# KiCad board PANEL5x4_COM_MOD.kicad_pcb (continued)
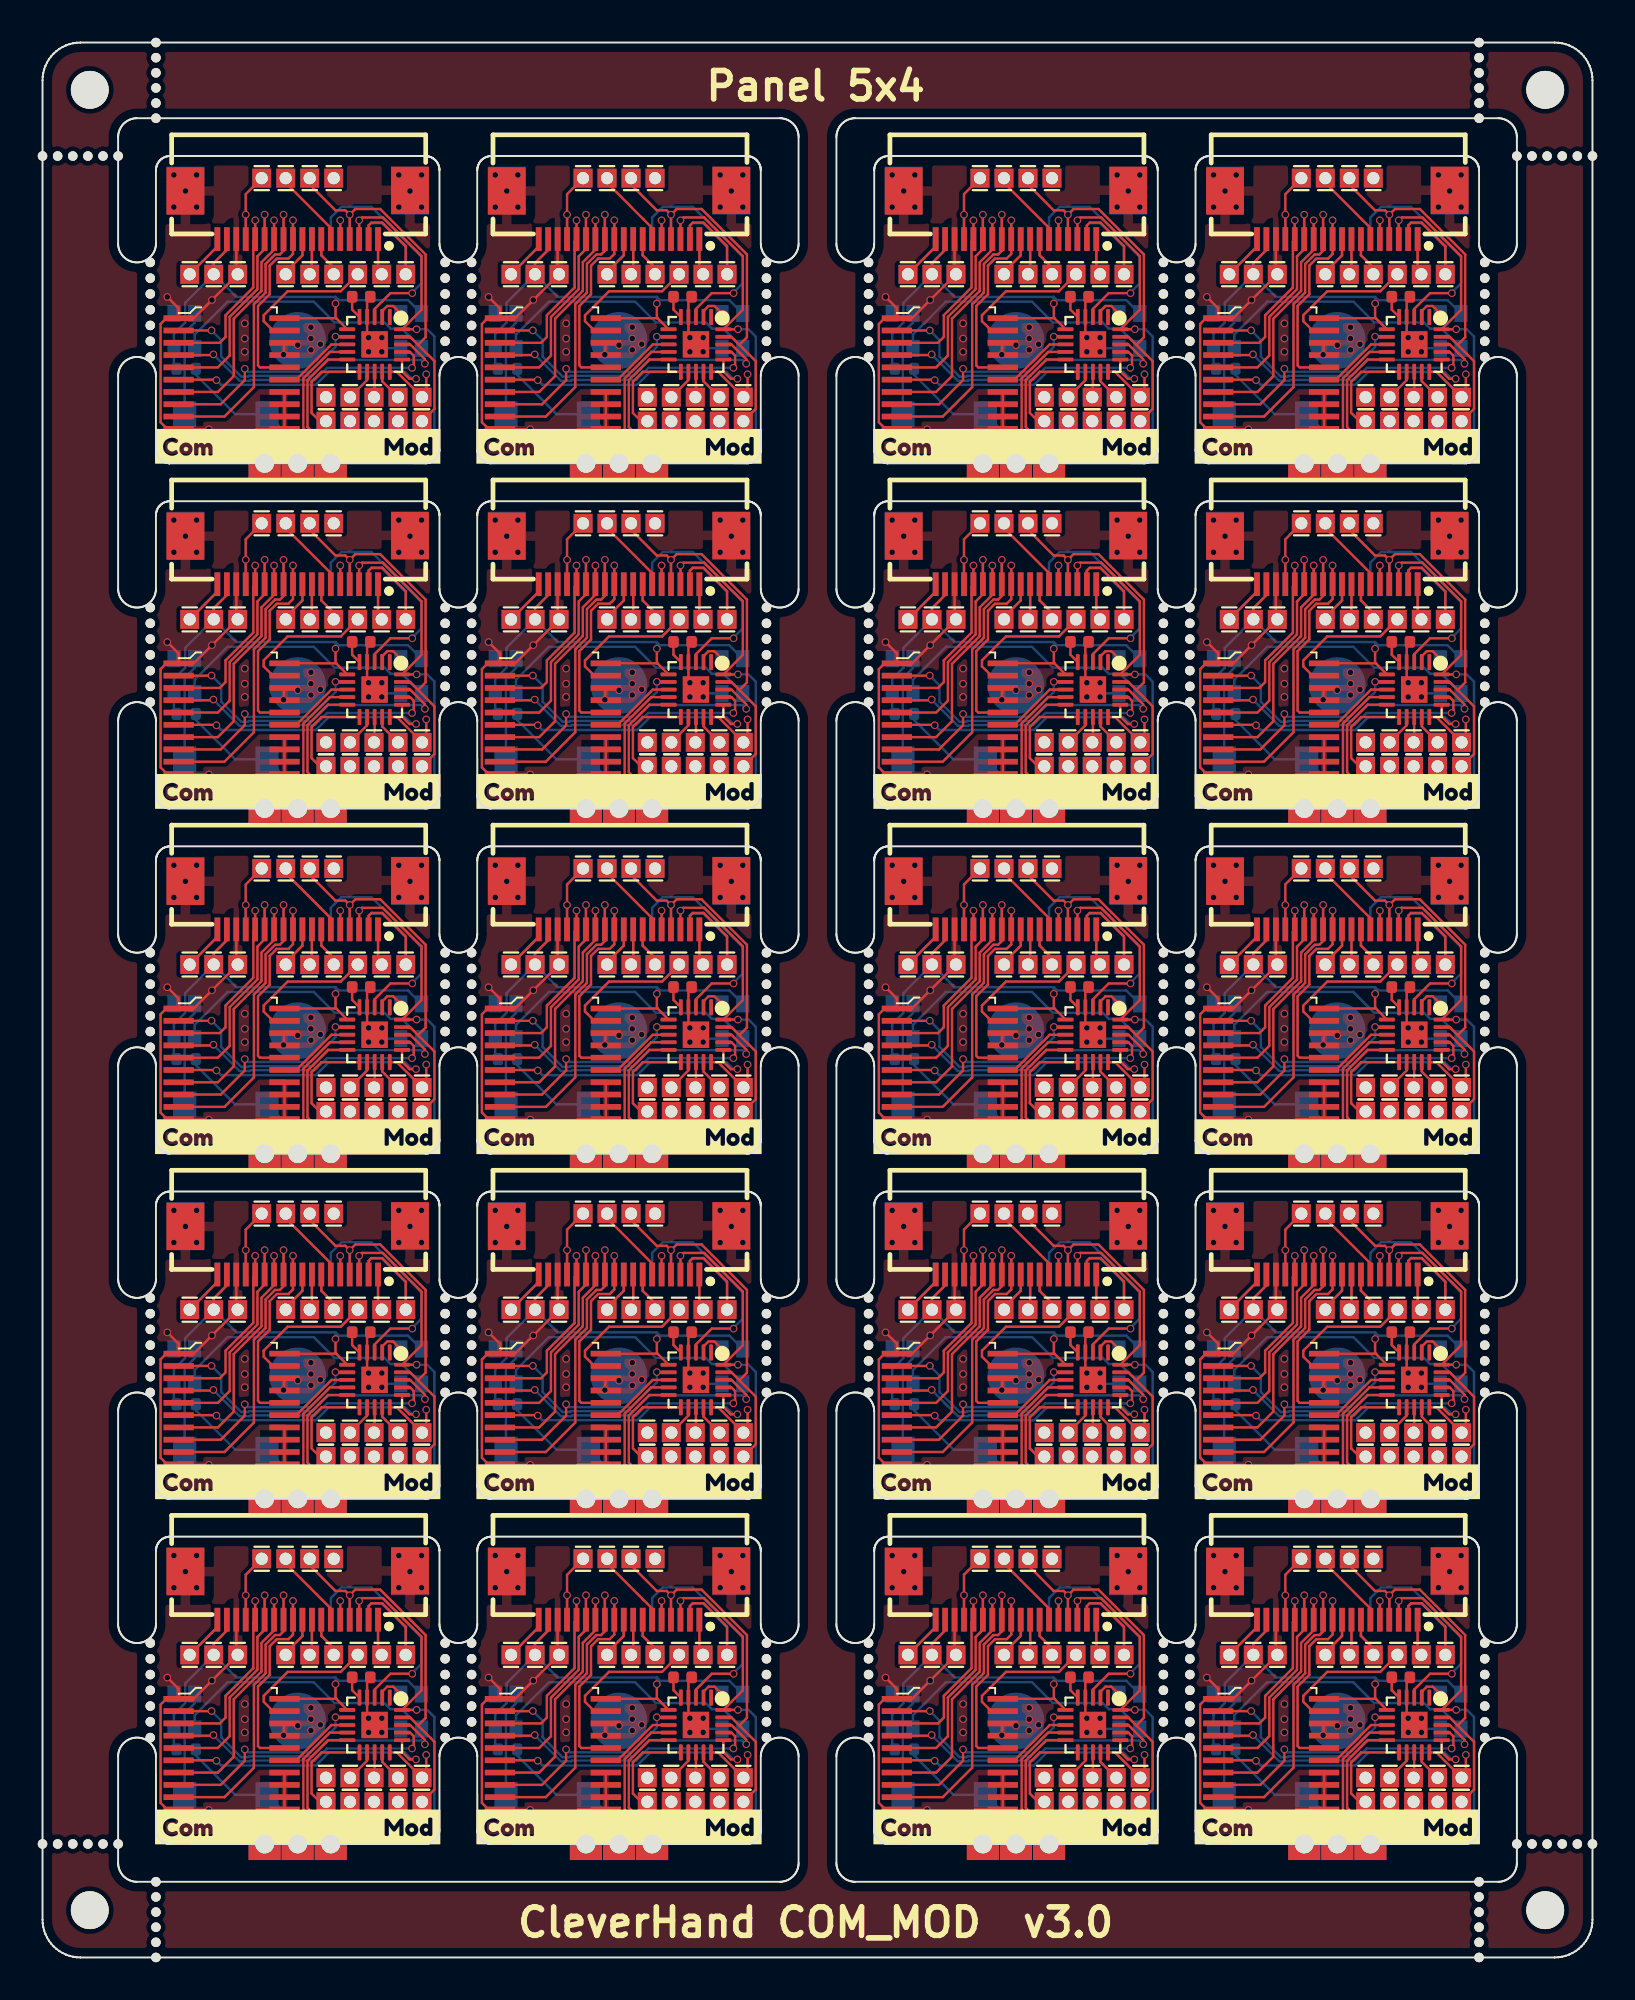
[diagram p0: board, top side]
## Routing (per net, layer and track width the routed paths; a pad name or vN(x,y) marks a point on that pad's centre or on a via; arc(x,y) is an arc through that point) (continued)
  Bottom w0.127: 28.25,17.83 v1(28.25,18.85)
Board_17-/addr_bus_1: length 12.5
  Top w0.127: v1(28.75,19.15) 28.75,17.33 28.37,16.95 28.37,15.21 26.9,13.74 26.9,11.7 26.27,11.08 U2#15.5
  Bottom w0.127: 28.75,17.83 v1(28.75,19.15)
Board_17-/addr_bus_2: length 13.4
  Top w0.127: U2#15.7 26.27,9.78 27.12,10.62 27.12,13.65 28.58,15.12 28.58,16.63 29.25,17.3 v1(29.25,18.85)
  Bottom w0.127: 29.25,17.83 v1(29.25,18.85)
Board_17-/addr_bus_3: length 15.9
  Top w0.127: v1(29.75,19.15) 29.75,17.24 29.55,17.05 29.3,17.05 28.8,16.54 28.8,15.03 28.18,14.41 28.18,10.03 26.62,8.48 U2#15.9
  Bottom w0.127: 29.75,17.83 v1(29.75,19.15)
Board_17-/addr_bus_4: length 11.3
  Top w0.127: v1(30.25,18.85) 30.25,17.07 30.01,16.83 29.39,16.83 29.02,16.45 29.02,14.94 28.4,14.32 28.4,11.18 28.5,11.08 U2#15.16
  Bottom w0.127: 30.25,17.83 v1(30.25,18.85)
Board_17-/addr_mod_0: length 16.8
  Top w0.127: v1(25.94,13.03) 25.93,13.03 U2#15.2 ; v1(37.23,11.27) 37.23,11.51 36.44,12.29 U1#2.18
  Bottom w0.127: v1(37.23,11.27) 37.03,11.47 32.12,11.47 31.27,10.63 27.91,10.63 27.87,10.59 27.51,10.59 26.45,11.65 26.45,12.52 v1(25.94,13.03)
Board_17-/addr_mod_1: length 14.6
  Top w0.127: v1(36.55,11.05) 36.55,11.11 36.64,11.2 36.64,11.7 36.44,11.89 U1#2.17 ; v1(26.04,11.76) 26,11.73 U2#15.4
  Bottom w0.127: v1(36.55,11.05) 32.05,11.05 31.41,10.41 28,10.41 27.96,10.37 27.42,10.37 26.04,11.75 v1(26.04,11.76)
Board_17-/addr_mod_2: length 14.6
  Top w0.127: v1(36.76,10.47) 36.42,10.47 36.02,10.87 U1#2.16 ; v1(26.2,10.4) 26.17,10.42 U2#15.6
  Bottom w0.127: v1(26.2,10.4) 26.45,10.15 31.46,10.15 32.14,10.83 36.18,10.83 36.55,10.47 v1(36.76,10.47)
Board_17-/addr_mod_3: length 11.2
  Top w0.127: v1(32.5,12.7) 32.68,12.7 32.69,12.69 U1#2.7 ; v1(27.7,11) 27.7,10.4 26.42,9.12 U2#15.8
  Bottom w0.127: v1(27.7,11) 27.85,10.85 31.18,10.85 32.5,12.16 v1(32.5,12.7)
Board_17-/addr_mod_4: length 4.1
  Top w0.127: U1#2.8 33.12,12.29 32.29,12.29 30.42,10.42 U2#15.15
Board_17-/AIN0: length 5.3
  Top w0.127: U1#2.11 31.76,10.84 31.23,10.31 31.23,8.67 31.67,8.23 32,8.23
Board_17-/AUX1: length 4.9
  Top w0.127: 26.25,17.83 26.25,17.47 J19#10.1
  Bottom w0.127: J19#10.1 26.25,17.47 26.25,17.83
Board_17-/AUX2: length 9.5
  Top w0.127: 34.25,17.83 34.25,18.58 34.4,18.73 34.97,18.73 36.22,17.48 J20#20.1
  Bottom w0.127: 34.25,17.83 34.25,18.58 34.37,18.7 34.96,18.7 36.22,17.44 J20#20.1
Board_17-/AUX3: length 4.9
  Top w0.127: 27.75,17.83 v1(27.75,19.15) 27.75,20.23 J3.1
  Bottom w0.127: v1(27.75,19.15) 27.75,17.83
Board_17-/CSB: length 7.5
  Top w0.127: U2#15.19 29.19,13.03 28.7,13.52 28.7,13.83 29.97,15.1 32.77,15.1 J8#16.1
Board_17-/extRef: length 3.8
  Top w0.127: 34.75,17.83 34.75,16.2 J9#11.1
  Bottom w0.127: J9#11.1 34.75,16.2 34.75,17.83
Board_17-/GPIO: length 17.7
  Top w0.127: 33.27,8.23 32.62,7.58 31.36,7.58 31.02,7.92 31.02,10.4 32.1,11.49 U1#2.10
  Bottom w0.127: R1#18.2 25.11,10.68 27.19,8.6 28.88,8.6 29.91,7.58 32.62,7.58 33.27,8.23
Board_17-/i2C_SCL: length 22.5
  Top w0.127: 33.75,17.83 v1(33.75,18.85) 33.9,19 35.01,19 37.05,16.96 37.05,14.12 U1#2.20 v1(36.79,13.09)
  In2.Cu w0.127: J23#5.1 33.75,19.74 v1(33.75,18.85)
  Bottom w0.127: 35.81,8.23 36.46,7.58 37.73,7.58 37.73,12.71 37.35,13.09 v1(36.79,13.09) ; v1(33.75,18.85) 33.75,17.83
Board_17-/I2C_SDA: length 21.5
  Top w0.127: v1(33.25,19.15) 33.55,19.45 34.86,19.45 37.27,17.05 37.27,12.67 36.87,12.27 ; v1(33.25,19.15) 33.25,17.83 ; v1(33.25,19.15) 33.02,19.38 32.49,19.38 31.13,20.74 J10#3.1 ; 37.08,8.23 37.73,8.88 37.73,11.4 36.87,12.27 ; 36.87,12.27 36.44,12.69 U1#2.19
  Bottom w0.127: v1(33.25,19.15) 33.25,17.83
Board_17-/IO1_in: length 12.2
  Top w0.127: U1#2.3 34.57,14.17 35.4,15 v1(36.56,15)
  Bottom w0.127: v1(36.56,15) 36.56,15.04 37.05,15.53 37.05,16.91 34.4,19.56 32.81,19.56 32.25,19 32.25,17.83
Board_17-/IO1_out: length 24.7
  Top w0.127: v1(37.3,10.71) 37.3,9.72 37.08,9.5 35.74,10.84 U1#2.15 ; 32.25,17.83 32.25,18.45 29.87,20.83 J4#13.1
  In2.Cu w0.127: J4#13.1 29.87,21.55 30.09,21.78 33.01,21.78 34.7,20.09 34.7,19.65 37.64,16.71 37.64,11.05 v1(37.3,10.71)
Board_17-/IO2: length 2.1
  Top w0.127: v1(32.75,18.85) 32.75,17.83
  Bottom w0.127: 32.75,17.83 v1(32.75,18.85)
Board_17-/LED_IN: length 1.6
  Top w0.127: v1(35.95,13.92) 35.55,14.32 35.23,14.32 34.97,14.05 U1#2.2
Board_17-/PICO: length 3.7
  Top w0.127: J6#14.1 31.25,16.12 31.25,17.83
  Bottom w0.127: 31.25,17.83 31.25,16.12 J6#14.1
Board_17-/PICO_ARM: length 1.4
  Top w0.127: 34.54,9.5 34.57,9.53 U1#2.13
Board_17-/POCI: length 4.4
  Top w0.127: 30.75,17.83 30.75,17 29.87,16.12 J5#11.1
  Bottom w0.127: J5#11.1 29.87,16.12 30.75,17 30.75,17.83
Board_17-/SCLK: length 4.2
  Top w0.127: J7#14.1 32.41,16.35 31.75,17 31.75,17.83
  Bottom w0.127: J7#14.1 32.41,16.34 31.75,17 31.75,17.83
Board_17-/SCLK_ARM: length 1.7
  Top w0.127: U1#2.12 34.17,10.4 33.27,9.5
Board_17-/SPICS_ARM: length 9.9
  Top w0.127: 34.54,8.23 33.67,7.36 31.27,7.36 30.8,7.83 30.8,10.49 32.2,11.89 U1#2.9
Board_17-/SWDIO/POCI_ARM: length 1.7
  Top w0.127: U1#2.14 34.97,10.34 35.81,9.5
Board_17-/Vcap: length 1.2
  Top w0.127: C1#5.2 33.38,14.13 U1#2.5
Board_17-GND: length 34.7
  Top w0.127: 29.34,9.78 U2#15.14 U2#15.11 ; v1(23.6,14.8) 24.2,14.2 U2#15.1 ; v1(28.1,7.6) 28.32,7.83 U2#15.11 ; 27.25,17.83 27.25,16.08 J2.1 v1(25.96,14.64) 25,13.67 U2#15.1 ; C1#5.1 34.17,14.64 U1#2.4 34.17,12.69 34.21,12.65 v1(34.25,12.65) 34.25,12.61 U1#2.21 ; U2#15.1 23.55,13.67 23.25,13.37 23.25,8.17 23.59,7.83 U2#15.10 24.23,7.8 v1(25.8,7.8) ; U2#15.17 v1(29.75,11.75) U2#15.18 ; U2#15.11 30.45,7.83
  Bottom w0.127: v1(25.96,14.64) 25.24,13.92 25.05,13.92 25.05,13.44 24.51,12.9 24.51,8.6 ; J2.1 27.25,16.08 27.25,17.83 ; 34.66,12.09 34.76,12.09 v1(34.95,11.9) 35.13,12.09 35.95,12.09
  vias: v1(23.95,21.25) v1(23.95,19.55) v1(24.56,20.4) v1(25.15,21.25) v1(25.15,19.55) v1(27.7,13.4) v1(27.7,12.6) v1(27.7,11.9) v1(30.5,12.25) v1(31.2,13.2) v1(31.2,12.6) v1(31.2,12) v1(31.7,12.3) v1(34.25,11.9) v1(34.95,12.65) v1(35.85,21.25) v1(35.85,19.55) v1(36.44,20.4) v1(37.05,21.25) v1(37.05,19.55)
Board_17-Net-(LED1-DO): length 14.5
  Bottom w0.127: 37.05,12.09 36.01,13.13 35.41,13.13 35.09,13.45 32.45,13.45 31.35,14.55 26.79,14.55 25.05,12.81 25.05,12.09
Board_18-+3.3V: length 26.7
  Top w0.127: J1#7.1 47.05,16.59 47.75,17.29 47.75,17.83 ; U1#15.6 53.55,13.66 ; 53.55,13.66 53.53,13.67 U2#8.20 ; 53.55,13.66 53.5,13.71 v1(53.5,14.45)
  Bottom w0.127: 58.05,13.92 57.34,14.63 53.67,14.63 53.5,14.8 ; J1#7.1 47.05,16.59 47.75,17.29 47.75,17.83 ; J1#7.1 48.26,14.8 53.5,14.8 ; J1#7.1 45.55,14.49 45.55,13.45 44.95,12.85 44.95,11.14 R1#14.1 ; 53.5,14.8 v1(53.5,14.45)
Board_18-/addr_bus_0: length 10.5
  Top w0.127: v1(49.25,18.85) 49.25,17.83 49.15,17.72 49.15,15.3 47.68,13.83 47.68,12.68 47.37,12.38 U2#8.3
  Bottom w0.127: 49.25,17.83 v1(49.25,18.85)
Board_18-/addr_bus_1: length 12.5
  Top w0.127: v1(49.75,19.15) 49.75,17.33 49.37,16.95 49.37,15.21 47.9,13.74 47.9,11.7 47.27,11.08 U2#8.5
  Bottom w0.127: 49.75,17.83 v1(49.75,19.15)
Board_18-/addr_bus_2: length 13.4
  Top w0.127: v1(50.25,18.85) 50.25,17.3 49.58,16.63 49.58,15.12 48.12,13.65 48.12,10.62 47.27,9.78 U2#8.7
  Bottom w0.127: 50.25,17.83 v1(50.25,18.85)
Board_18-/addr_bus_3: length 15.9
  Top w0.127: v1(50.75,19.15) 50.75,17.24 50.55,17.05 50.3,17.05 49.8,16.54 49.8,15.03 49.18,14.41 49.18,10.03 47.62,8.48 U2#8.9
  Bottom w0.127: 50.75,17.83 v1(50.75,19.15)
Board_18-/addr_bus_4: length 11.3
  Top w0.127: U2#8.16 49.5,11.08 49.4,11.18 49.4,14.32 50.02,14.94 50.02,16.45 50.39,16.83 51.01,16.83 51.25,17.07 v1(51.25,18.85)
  Bottom w0.127: 51.25,17.83 v1(51.25,18.85)
Board_18-/addr_mod_0: length 16.8
  Top w0.127: v1(58.23,11.27) 58.23,11.51 57.44,12.29 U1#15.18 ; v1(46.94,13.03) 46.93,13.03 U2#8.2
  Bottom w0.127: v1(58.23,11.27) 58.03,11.47 53.12,11.47 52.27,10.63 48.91,10.63 48.87,10.59 48.51,10.59 47.45,11.65 47.45,12.52 v1(46.94,13.03)
Board_18-/addr_mod_1: length 14.6
  Top w0.127: v1(57.55,11.05) 57.55,11.11 57.64,11.2 57.64,11.7 57.44,11.89 U1#15.17 ; U2#8.4 47,11.73 v1(47.04,11.76)
  Bottom w0.127: v1(57.55,11.05) 53.05,11.05 52.41,10.41 49,10.41 48.96,10.37 48.42,10.37 47.04,11.75 v1(47.04,11.76)
Board_18-/addr_mod_2: length 14.6
  Top w0.127: U2#8.6 47.17,10.42 v1(47.2,10.4) ; U1#15.16 57.02,10.87 57.42,10.47 v1(57.76,10.47)
  Bottom w0.127: v1(57.76,10.47) 57.55,10.47 57.18,10.83 53.14,10.83 52.46,10.15 47.45,10.15 v1(47.2,10.4)
Board_18-/addr_mod_3: length 11.2
  Top w0.127: v1(48.7,11) 48.7,10.4 47.42,9.12 U2#8.8 ; U1#15.7 53.69,12.69 53.68,12.7 v1(53.5,12.7)
  Bottom w0.127: v1(48.7,11) 48.85,10.85 52.18,10.85 53.5,12.16 v1(53.5,12.7)
Board_18-/addr_mod_4: length 4.1
  Top w0.127: U2#8.15 51.42,10.42 53.29,12.29 54.12,12.29 U1#15.8
Board_18-/AIN0: length 5.3
  Top w0.127: U1#15.11 52.76,10.84 52.23,10.31 52.23,8.67 52.67,8.23 53,8.23
Board_18-/AUX1: length 4.9
  Top w0.127: J19#6.1 47.25,17.47 47.25,17.83
  Bottom w0.127: 47.25,17.83 47.25,17.47 J19#6.1
Board_18-/AUX2: length 9.5
  Top w0.127: J20#12.1 57.22,17.48 55.97,18.73 55.4,18.73 55.25,18.58 55.25,17.83
  Bottom w0.127: 55.25,17.83 55.25,18.58 55.37,18.7 55.96,18.7 57.22,17.44 J20#12.1
Board_18-/AUX3: length 4.9
  Top w0.127: J3#19.1 48.75,20.23 v1(48.75,19.15) 48.75,17.83
  Bottom w0.127: v1(48.75,19.15) 48.75,17.83
Board_18-/CSB: length 7.5
  Top w0.127: U2#8.19 50.19,13.03 49.7,13.52 49.7,13.83 50.97,15.1 53.77,15.1 J8#18.1
Board_18-/extRef: length 3.8
  Top w0.127: J9#15.1 55.75,16.2 55.75,17.83
  Bottom w0.127: J9#15.1 55.75,16.2 55.75,17.83
Board_18-/GPIO: length 17.7
  Top w0.127: U1#15.10 53.1,11.49 52.02,10.4 52.02,7.92 52.36,7.58 53.62,7.58 54.27,8.23
  Bottom w0.127: R1#14.2 46.11,10.68 48.19,8.6 49.88,8.6 50.91,7.58 53.62,7.58 54.27,8.23
Board_18-/i2C_SCL: length 22.5
  Top w0.127: v1(57.79,13.09) U1#15.20 58.05,14.12 58.05,16.96 56.01,19 54.9,19 v1(54.75,18.85) 54.75,17.83
  In2.Cu w0.127: J23#18.1 54.75,19.74 v1(54.75,18.85)
  Bottom w0.127: 56.81,8.23 57.46,7.58 58.73,7.58 58.73,12.71 58.35,13.09 v1(57.79,13.09) ; v1(54.75,18.85) 54.75,17.83
Board_18-/I2C_SDA: length 21.5
  Top w0.127: v1(54.25,19.15) 54.02,19.38 53.49,19.38 52.13,20.74 J10.1 ; v1(54.25,19.15) 54.25,17.83 ; v1(54.25,19.15) 54.55,19.45 55.86,19.45 58.27,17.05 58.27,12.67 57.87,12.27 ; 57.87,12.27 58.73,11.4 58.73,8.88 58.08,8.23 ; 57.87,12.27 57.44,12.69 U1#15.19
  Bottom w0.127: v1(54.25,19.15) 54.25,17.83
Board_18-/IO1_in: length 12.2
  Top w0.127: U1#15.3 55.57,14.17 56.4,15 v1(57.56,15)
  Bottom w0.127: 53.25,17.83 53.25,19 53.81,19.56 55.4,19.56 58.05,16.91 58.05,15.53 57.56,15.04 v1(57.56,15)
Board_18-/IO1_out: length 24.7
  Top w0.127: U1#15.15 56.74,10.84 58.08,9.5 58.3,9.72 v1(58.3,10.71) ; 53.25,17.83 53.25,18.45 50.87,20.83 J4#15.1
  In2.Cu w0.127: v1(58.3,10.71) 58.64,11.05 58.64,16.71 55.7,19.65 55.7,20.09 54.01,21.78 51.09,21.78 50.87,21.55 J4#15.1
Board_18-/IO2: length 2.1
  Top w0.127: v1(53.75,18.85) 53.75,17.83
  Bottom w0.127: 53.75,17.83 v1(53.75,18.85)
Board_18-/LED_IN: length 1.6
  Top w0.127: v1(56.95,13.92) 56.55,14.32 56.23,14.32 55.97,14.05 U1#15.2
Board_18-/PICO: length 3.7
  Top w0.127: J6#4.1 52.25,16.12 52.25,17.83
  Bottom w0.127: 52.25,17.83 52.25,16.12 J6#4.1
Board_18-/PICO_ARM: length 1.4
  Top w0.127: 55.54,9.5 55.57,9.53 U1#15.13
Board_18-/POCI: length 4.4
  Top w0.127: J5#12.1 50.87,16.12 51.75,17 51.75,17.83
  Bottom w0.127: 51.75,17.83 51.75,17 50.87,16.12 J5#12.1
Board_18-/SCLK: length 4.2
  Top w0.127: J7#11.1 53.41,16.35 52.75,17 52.75,17.83
  Bottom w0.127: 52.75,17.83 52.75,17 53.41,16.34 J7#11.1
Board_18-/SCLK_ARM: length 1.7
  Top w0.127: 54.27,9.5 55.17,10.4 U1#15.12
Board_18-/SPICS_ARM: length 9.9
  Top w0.127: U1#15.9 53.2,11.89 51.8,10.49 51.8,7.83 52.27,7.36 54.67,7.36 55.54,8.23
Board_18-/SWDIO/POCI_ARM: length 1.7
  Top w0.127: 56.81,9.5 55.97,10.34 U1#15.14
Board_18-/Vcap: length 1.2
  Top w0.127: U1#15.5 54.38,14.13 C1#2.2
Board_18-GND: length 34.7
  Top w0.127: U2#8.17 v1(50.75,11.75) U2#8.18 ; U2#8.11 U2#8.14 50.34,9.78 ; U2#8.11 49.32,7.83 v1(49.1,7.6) ; U2#8.11 51.45,7.83 ; U2#8.1 44.55,13.67 44.25,13.37 44.25,8.17 44.59,7.83 U2#8.10 45.23,7.8 v1(46.8,7.8) ; U2#8.1 45.2,14.2 v1(44.6,14.8) ; U2#8.1 46,13.67 v1(46.96,14.64) J2#8.1 48.25,16.08 48.25,17.83 ; C1#2.1 55.17,14.64 U1#15.4 55.17,12.69 55.21,12.65 v1(55.25,12.65) 55.25,12.61 U1#15.21
  Bottom w0.127: v1(46.96,14.64) 46.24,13.92 46.05,13.92 46.05,13.44 45.51,12.9 45.51,8.6 ; 55.66,12.09 55.76,12.09 v1(55.95,11.9) 56.13,12.09 56.95,12.09 ; J2#8.1 48.25,16.08 48.25,17.83
  vias: v1(44.95,21.25) v1(44.95,19.55) v1(45.56,20.4) v1(46.15,21.25) v1(46.15,19.55) v1(48.7,13.4) v1(48.7,12.6) v1(48.7,11.9) v1(51.5,12.25) v1(52.2,13.2) v1(52.2,12.6) v1(52.2,12) v1(52.7,12.3) v1(55.25,11.9) v1(55.95,12.65) v1(56.85,21.25) v1(56.85,19.55) v1(57.44,20.4) v1(58.05,21.25) v1(58.05,19.55)
Board_18-Net-(LED1-DO): length 14.5
  Bottom w0.127: 46.05,12.09 46.05,12.81 47.79,14.55 52.35,14.55 53.45,13.45 56.09,13.45 56.41,13.13 57.01,13.13 58.05,12.09
Board_19-+3.3V: length 26.7
  Top w0.127: 70.55,13.66 70.53,13.67 U2#14.20 ; 70.55,13.66 U1#20.6 ; 70.55,13.66 70.5,13.71 v1(70.5,14.45) ; J1#11.1 64.06,16.59 64.75,17.29 64.75,17.83
  Bottom w0.127: 75.05,13.92 74.34,14.63 70.67,14.63 70.5,14.8 ; 70.5,14.8 65.25,14.8 J1#11.1 ; 70.5,14.8 v1(70.5,14.45) ; R1#17.1 61.95,11.14 61.95,12.85 62.55,13.45 62.55,14.49 J1#11.1 ; J1#11.1 64.06,16.59 64.75,17.29 64.75,17.83
Board_19-/addr_bus_0: length 10.5
  Top w0.127: U2#14.3 64.37,12.38 64.68,12.68 64.68,13.83 66.15,15.3 66.15,17.72 66.25,17.83 v1(66.25,18.85)
  Bottom w0.127: 66.25,17.83 v1(66.25,18.85)
Board_19-/addr_bus_1: length 12.5
  Top w0.127: U2#14.5 64.27,11.08 64.9,11.7 64.9,13.74 66.37,15.21 66.37,16.95 66.75,17.33 v1(66.75,19.15)
  Bottom w0.127: 66.75,17.83 v1(66.75,19.15)
Board_19-/addr_bus_2: length 13.4
  Top w0.127: v1(67.25,18.85) 67.25,17.3 66.58,16.63 66.58,15.12 65.12,13.65 65.12,10.62 64.27,9.78 U2#14.7
  Bottom w0.127: 67.25,17.83 v1(67.25,18.85)
Board_19-/addr_bus_3: length 15.9
  Top w0.127: U2#14.9 64.62,8.48 66.18,10.03 66.18,14.41 66.8,15.03 66.8,16.54 67.3,17.05 67.55,17.05 67.75,17.24 v1(67.75,19.15)
  Bottom w0.127: 67.75,17.83 v1(67.75,19.15)
Board_19-/addr_bus_4: length 11.3
  Top w0.127: U2#14.16 66.5,11.08 66.4,11.18 66.4,14.32 67.02,14.94 67.02,16.45 67.39,16.83 68.01,16.83 68.25,17.07 v1(68.25,18.85)
  Bottom w0.127: 68.25,17.83 v1(68.25,18.85)
Board_19-/addr_mod_0: length 16.8
  Top w0.127: v1(75.23,11.27) 75.23,11.51 74.44,12.29 U1#20.18 ; v1(63.94,13.03) 63.93,13.03 U2#14.2
  Bottom w0.127: v1(63.94,13.03) 64.45,12.52 64.45,11.65 65.51,10.59 65.87,10.59 65.91,10.63 69.27,10.63 70.12,11.47 75.03,11.47 v1(75.23,11.27)
Board_19-/addr_mod_1: length 14.6
  Top w0.127: U1#20.17 74.44,11.89 74.64,11.7 74.64,11.2 74.55,11.11 v1(74.55,11.05) ; U2#14.4 64,11.73 v1(64.04,11.76)
  Bottom w0.127: v1(74.55,11.05) 70.05,11.05 69.41,10.41 66,10.41 65.96,10.37 65.42,10.37 64.04,11.75 v1(64.04,11.76)
Board_19-/addr_mod_2: length 14.6
  Top w0.127: U1#20.16 74.02,10.87 74.42,10.47 v1(74.76,10.47) ; U2#14.6 64.17,10.42 v1(64.2,10.4)
  Bottom w0.127: v1(74.76,10.47) 74.55,10.47 74.18,10.83 70.14,10.83 69.46,10.15 64.45,10.15 v1(64.2,10.4)
Board_19-/addr_mod_3: length 11.2
  Top w0.127: U2#14.8 64.42,9.12 65.7,10.4 v1(65.7,11) ; v1(70.5,12.7) 70.68,12.7 70.69,12.69 U1#20.7
  Bottom w0.127: v1(70.5,12.7) 70.5,12.16 69.18,10.85 65.85,10.85 v1(65.7,11)
Board_19-/addr_mod_4: length 4.1
  Top w0.127: U2#14.15 68.42,10.42 70.29,12.29 71.12,12.29 U1#20.8
Board_19-/AIN0: length 5.3
  Top w0.127: 70,8.23 69.67,8.23 69.23,8.67 69.23,10.31 69.76,10.84 U1#20.11
Board_19-/AUX1: length 4.9
  Top w0.127: 64.25,17.83 64.25,17.47 J19#5.1
  Bottom w0.127: 64.25,17.83 64.25,17.47 J19#5.1
Board_19-/AUX2: length 9.5
  Top w0.127: J20#8.1 74.22,17.48 72.97,18.73 72.4,18.73 72.25,18.58 72.25,17.83
  Bottom w0.127: J20#8.1 74.22,17.44 72.96,18.7 72.37,18.7 72.25,18.58 72.25,17.83
Board_19-/AUX3: length 4.9
  Top w0.127: 65.75,17.83 v1(65.75,19.15) 65.75,20.23 J3#4.1
  Bottom w0.127: v1(65.75,19.15) 65.75,17.83
Board_19-/CSB: length 7.5
  Top w0.127: J8#3.1 70.78,15.1 67.97,15.1 66.7,13.83 66.7,13.52 67.19,13.03 U2#14.19
Board_19-/extRef: length 3.8
  Top w0.127: 72.75,17.83 72.75,16.2 J9#9.1
  Bottom w0.127: 72.75,17.83 72.75,16.2 J9#9.1
Board_19-/GPIO: length 17.7
  Top w0.127: U1#20.10 70.1,11.49 69.02,10.4 69.02,7.92 69.36,7.58 70.62,7.58 71.27,8.23
  Bottom w0.127: 71.27,8.23 70.62,7.58 67.91,7.58 66.88,8.6 65.19,8.6 63.11,10.68 R1#17.2
Board_19-/i2C_SCL: length 22.5
  Top w0.127: v1(74.79,13.09) U1#20.20 75.05,14.12 75.05,16.96 73.01,19 71.9,19 v1(71.75,18.85) 71.75,17.83
  In2.Cu w0.127: J23#20.1 71.75,19.74 v1(71.75,18.85)
  Bottom w0.127: 73.81,8.23 74.46,7.58 75.73,7.58 75.73,12.71 75.35,13.09 v1(74.79,13.09) ; v1(71.75,18.85) 71.75,17.83
Board_19-/I2C_SDA: length 21.5
  Top w0.127: 71.25,17.83 v1(71.25,19.15) ; v1(71.25,19.15) 71.02,19.38 70.5,19.38 69.14,20.74 J10#6.1 ; v1(71.25,19.15) 71.55,19.45 72.86,19.45 75.27,17.05 75.27,12.67 74.87,12.27 ; U1#20.19 74.44,12.69 74.87,12.27 ; 74.87,12.27 75.73,11.4 75.73,8.88 75.08,8.23
  Bottom w0.127: v1(71.25,19.15) 71.25,17.83
Board_19-/IO1_in: length 12.2
  Top w0.127: U1#20.3 72.57,14.17 73.4,15 v1(74.56,15)
  Bottom w0.127: 70.25,17.83 70.25,19 70.81,19.56 72.4,19.56 75.05,16.91 75.05,15.53 74.56,15.04 v1(74.56,15)
Board_19-/IO1_out: length 24.7
  Top w0.127: U1#20.15 73.74,10.84 75.08,9.5 75.3,9.72 v1(75.3,10.71) ; J4#6.1 67.86,20.83 70.25,18.45 70.25,17.83
  In2.Cu w0.127: J4#6.1 67.86,21.55 68.09,21.78 71.01,21.78 72.7,20.09 72.7,19.65 75.64,16.71 75.64,11.05 v1(75.3,10.71)
Board_19-/IO2: length 2.1
  Top w0.127: v1(70.75,18.85) 70.75,17.83
  Bottom w0.127: 70.75,17.83 v1(70.75,18.85)
Board_19-/LED_IN: length 1.6
  Top w0.127: U1#20.2 72.97,14.05 73.23,14.32 73.55,14.32 v1(73.95,13.92)
Board_19-/PICO: length 3.7
  Top w0.127: J6#19.1 69.25,16.12 69.25,17.83
  Bottom w0.127: 69.25,17.83 69.25,16.12 J6#19.1
Board_19-/PICO_ARM: length 1.4
  Top w0.127: 72.54,9.5 72.57,9.53 U1#20.13
Board_19-/POCI: length 4.4
  Top w0.127: 68.75,17.83 68.75,17 67.86,16.12 J5#10.1
  Bottom w0.127: J5#10.1 67.86,16.12 68.75,17 68.75,17.83
Board_19-/SCLK: length 4.2
  Top w0.127: 69.75,17.83 69.75,17 70.41,16.35 J7#2.1
  Bottom w0.127: 69.75,17.83 69.75,17 70.41,16.34 J7#2.1
Board_19-/SCLK_ARM: length 1.7
  Top w0.127: U1#20.12 72.17,10.4 71.27,9.5
Board_19-/SPICS_ARM: length 9.9
  Top w0.127: U1#20.9 70.2,11.89 68.8,10.49 68.8,7.83 69.27,7.36 71.67,7.36 72.54,8.23
Board_19-/SWDIO/POCI_ARM: length 1.7
  Top w0.127: U1#20.14 72.97,10.34 73.81,9.5
Board_19-/Vcap: length 1.2
  Top w0.127: U1#20.5 71.38,14.13 C1#19.2
Board_19-GND: length 34.7
  Top w0.127: C1#19.1 72.17,14.64 U1#20.4 72.17,12.69 72.21,12.65 v1(72.25,12.65) 72.25,12.61 U1#20.21 ; U2#14.17 v1(67.75,11.75) U2#14.18 ; v1(61.6,14.8) 62.2,14.2 U2#14.1 ; U2#14.1 61.55,13.67 61.25,13.37 61.25,8.17 61.59,7.83 U2#14.10 62.23,7.8 v1(63.8,7.8) ; U2#14.1 63,13.67 v1(63.96,14.64) J2#6.1 65.25,16.08 65.25,17.83 ; v1(66.1,7.6) 66.32,7.83 U2#14.11 ; U2#14.11 68.45,7.83 ; U2#14.11 U2#14.14 67.34,9.78
  Bottom w0.127: 62.51,8.6 62.51,12.9 63.05,13.44 63.05,13.92 63.24,13.92 v1(63.96,14.64) ; J2#6.1 65.25,16.08 65.25,17.83 ; 73.95,12.09 73.13,12.09 v1(72.95,11.9) 72.76,12.09 72.66,12.09
  vias: v1(61.95,21.25) v1(61.95,19.55) v1(62.56,20.4) v1(63.15,21.25) v1(63.15,19.55) v1(65.7,13.4) v1(65.7,12.6) v1(65.7,11.9) v1(68.5,12.25) v1(69.2,13.2) v1(69.2,12.6) v1(69.2,12) v1(69.7,12.3) v1(72.25,11.9) v1(72.95,12.65) v1(73.85,21.25) v1(73.85,19.55) v1(74.44,20.4) v1(75.05,21.25) v1(75.05,19.55)
Board_19-Net-(LED1-DO): length 14.5
  Bottom w0.127: 63.05,12.09 63.05,12.81 64.79,14.55 69.35,14.55 70.45,13.45 73.09,13.45 73.41,13.13 74.01,13.13 75.05,12.09

## Copper pours and planes (outline as drawn; the poured copper is in the pictures)
(no net) on Top: 0.53,1.71 0.57,1.56 0.61,1.43 0.68,1.29 0.75,1.17 0.84,1.05 0.94,0.94 1.05,0.84 1.17,0.75 1.29,0.68 1.43,0.61 1.56,0.57 1.71,0.53 1.85,0.51 2.02,0.5 79.98,0.5 80.15,0.51 80.29,0.53 80.44,0.57 80.57,0.61 80.71,0.68 80.83,0.75 80.95,0.84 81.06,0.94 81.16,1.05 81.25,1.17 81.32,1.29 81.39,1.43 81.43,1.56 81.47,1.71 81.49,1.85 81.5,2.02 81.5,99.23 81.49,99.4 81.47,99.54 81.43,99.69 81.39,99.82 81.32,99.96 81.25,100.08 81.16,100.2 81.06,100.31 80.95,100.41 80.83,100.5 80.71,100.57 80.57,100.64 80.44,100.68 80.29,100.72 80.15,100.74 79.98,100.75 2.02,100.75 1.85,100.74 1.71,100.72 1.56,100.68 1.43,100.64 1.29,100.57 1.17,100.5 1.05,100.41 0.94,100.31 0.84,100.2 0.75,100.08 0.68,99.96 0.61,99.82 0.57,99.69 0.53,99.54 0.51,99.4 0.5,99.23 0.5,2.02 0.51,1.85 ; 2 cut-outs
(no net) on Bottom: 0.53,1.71 0.57,1.56 0.61,1.43 0.68,1.29 0.75,1.17 0.84,1.05 0.94,0.94 1.05,0.84 1.17,0.75 1.29,0.68 1.43,0.61 1.56,0.57 1.71,0.53 1.85,0.51 2.02,0.5 79.98,0.5 80.15,0.51 80.29,0.53 80.44,0.57 80.57,0.61 80.71,0.68 80.83,0.75 80.95,0.84 81.06,0.94 81.16,1.05 81.25,1.17 81.32,1.29 81.39,1.43 81.43,1.56 81.47,1.71 81.49,1.85 81.5,2.02 81.5,99.23 81.49,99.4 81.47,99.54 81.43,99.69 81.39,99.82 81.32,99.96 81.25,100.08 81.16,100.2 81.06,100.31 80.95,100.41 80.83,100.5 80.71,100.57 80.57,100.64 80.44,100.68 80.29,100.72 80.15,100.74 79.98,100.75 2.02,100.75 1.85,100.74 1.71,100.72 1.56,100.68 1.43,100.64 1.29,100.57 1.17,100.5 1.05,100.41 0.94,100.31 0.84,100.2 0.75,100.08 0.68,99.96 0.61,99.82 0.57,99.69 0.53,99.54 0.51,99.4 0.5,99.23 0.5,2.02 0.51,1.85 ; 2 cut-outs
Board_0-GND on Top, Bottom, In1.Cu, In2.Cu: 6,95.25 21,95.25 21,79 6,79
Board_1-GND on Top, Bottom, In1.Cu, In2.Cu: 23,95.25 38,95.25 38,79 23,79
Board_2-GND on Top, Bottom, In1.Cu, In2.Cu: 44,95.25 59,95.25 59,79 44,79
Board_3-GND on Top, Bottom, In1.Cu, In2.Cu: 61,95.25 76,95.25 76,79 61,79
Board_4-GND on Top, Bottom, In1.Cu, In2.Cu: 6,77 21,77 21,60.75 6,60.75
Board_5-GND on Top, Bottom, In1.Cu, In2.Cu: 23,77 38,77 38,60.75 23,60.75
Board_6-GND on Top, Bottom, In1.Cu, In2.Cu: 44,77 59,77 59,60.75 44,60.75
Board_7-GND on Top, Bottom, In1.Cu, In2.Cu: 61,77 76,77 76,60.75 61,60.75
Board_8-GND on Top, Bottom, In1.Cu, In2.Cu: 6,58.75 21,58.75 21,42.5 6,42.5
Board_9-GND on Top, Bottom, In1.Cu, In2.Cu: 23,58.75 38,58.75 38,42.5 23,42.5
Board_10-GND on Top, Bottom, In1.Cu, In2.Cu: 44,58.75 59,58.75 59,42.5 44,42.5
Board_11-GND on Top, Bottom, In1.Cu, In2.Cu: 61,58.75 76,58.75 76,42.5 61,42.5
Board_12-GND on Top, Bottom, In1.Cu, In2.Cu: 6,40.5 21,40.5 21,24.25 6,24.25
Board_13-GND on Top, Bottom, In1.Cu, In2.Cu: 23,40.5 38,40.5 38,24.25 23,24.25
Board_14-GND on Top, Bottom, In1.Cu, In2.Cu: 44,40.5 59,40.5 59,24.25 44,24.25
Board_15-GND on Top, Bottom, In1.Cu, In2.Cu: 61,40.5 76,40.5 76,24.25 61,24.25
Board_16-GND on Top, Bottom, In1.Cu, In2.Cu: 6,22.25 21,22.25 21,6 6,6
Board_17-GND on Top, Bottom, In1.Cu, In2.Cu: 23,22.25 38,22.25 38,6 23,6
Board_18-GND on Top, Bottom, In1.Cu, In2.Cu: 44,22.25 59,22.25 59,6 44,6
Board_19-GND on Top, Bottom, In1.Cu, In2.Cu: 61,22.25 76,22.25 76,6 61,6

Small or netless copper shapes (teardrops, artwork), in the pictures only: 10 on Top, 10 on Bottom

## Text on the board
F.Silkscreen: Panel 5x4 | CleverHand COM_MOD  v3.0
